# KiCad board ETH1CLCR2.kicad_pcb (continued)
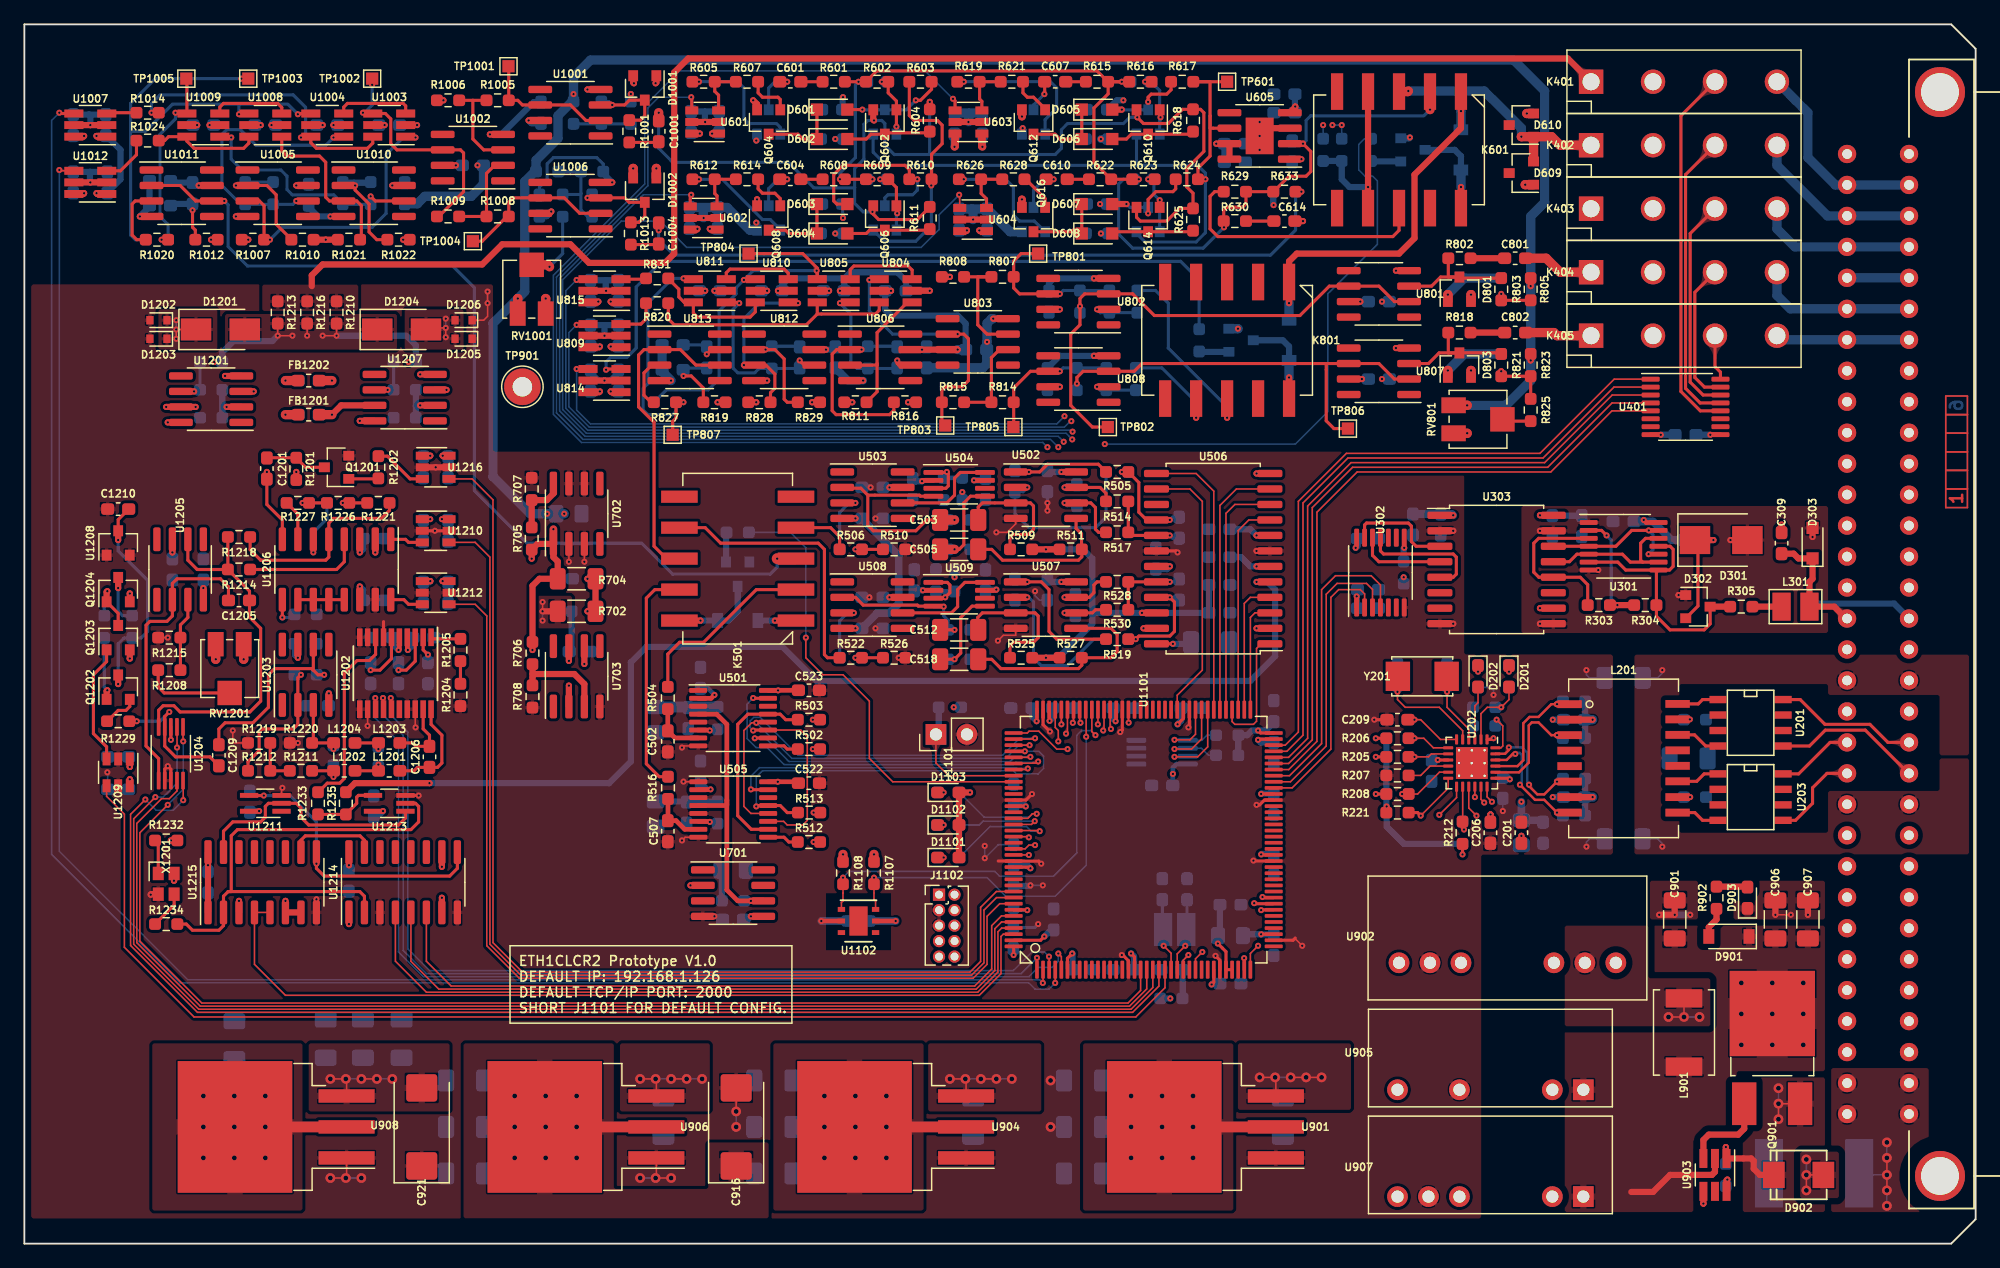
[diagram p0: board, top side]
## Routing (per net, layer and track width the routed paths; a pad name or vN(x,y) marks a point on that pad's centre or on a via; arc(x,y) is an arc through that point) (continued)
  Top w0.508: Q1204.1 6.74,53.45 v1(6.8,53.51)
  Bottom w0.254: R1230.2 6.55,52.24 6.8,52.5 v1(6.8,53.51)
Net-(Q1204-Pad3): length 4.1
  Top w0.508: Q1204.3 v1(7.69,53.77)
  Bottom w0.254: v1(7.69,53.77) 7.69,51.86 8.05,51.5 R1231.2
Net-(R207-Pad1): length 3.6
  Top w0.127: U202.10 115.26,39.17 114.5,38.4 R207.1
Net-(R209-Pad2): length 3.6
  Top w0.127: U202.24 121.08,40.67 121.23,40.81 121.23,42.46 v1(120.72,42.97)
  Bottom w0.254: R209.2 120.62,42.87 v1(120.72,42.97)
Net-(R301-Pad2): length 2
  Top w0.254: U302.8 v1(113.15,57.07)
  Bottom w0.508: v1(113.15,57.07) 113.1,57.02 R301.2
Net-(R303-Pad2): length 9.7
  Top w0.254: U301.2 129.33,58.5 v1(129.74,58.08)
  Top w0.508: R304.1 v1(130.63,52.37) R303.2
  Bottom w0.254: v1(129.74,58.08) 130.12,57.7 130.12,52.88 v1(130.63,52.37)
Net-(R502-Pad2): length 2.6
  Top w0.254: R502.2 62.56,40.56 62.29,40.82 U501.9
Net-(R503-Pad2): length 15.9
  Top w0.254: U505.10 59.61,33.98 58.49,35.1 58.49,42.59 59.32,43.42 U501.13 61.98,43.42 62.43,42.97 R503.2
Net-(R506-Pad1): length 2.8
  Top w0.127: R506.1 v1(68.14,56.94)
  Top w0.254: R510.2 R506.1
  Bottom w0.127: v1(68.14,56.94) R506.1
Net-(R507-Pad1): length 5.7
  Top w0.254: v1(68.14,60.75) U503.3
  Bottom w0.254: R507.1 66.85,59.97 67.64,60.75 v1(68.14,60.75)
Net-(R512-Pad2): length 2.6
  Top w0.254: R512.2 62.68,32.94 62.29,33.33 60.99,33.33
Net-(R522-Pad1): length 2.8
  Top w0.254: R526.2 R522.1 v1(68.14,48.05)
  Bottom w0.254: v1(68.14,48.05) R522.1
Net-(R523-Pad1): length 5.4
  Top w0.254: U508.3 v1(68.02,51.73)
  Bottom w0.254: R523.1 66.85,51.08 67.51,51.73 v1(68.02,51.73)
Net-(R532-Pad1): length 5.7
  Top w0.254: U504.3 75.56,61.95 75.76,62.15 75.76,63.17 v1(75.64,63.29) 75.59,63.25 74.54,63.25
  Bottom w0.254: v1(75.64,63.29) 75.64,63.06 R532.1
  Bottom w0.381: R532.1 R533.1
Net-(R534-Pad1): length 6
  Top w0.254: U509.3 75.44,52.93 v1(75.51,53) 75.89,53.39 75.89,54.02 75.68,54.23 U509.1
  Bottom w0.254: v1(75.51,53) 75.51,53.39
  Bottom w0.381: R534.1 75.53,53.49 ; 75.53,53.49 R535.1 ; 75.53,53.49 75.53,53.03 v1(75.51,53)
Net-(R605-Pad2): length 4.2
  Top w0.254: U601.3 56.92,94.2 56.61,94.51 R605.2 R607.2
Net-(R612-Pad2): length 4
  Top w0.254: R614.2 R612.2 56.61,86.13 56.8,85.94 U602.3
Net-(R619-Pad2): length 4.2
  Top w0.254: U603.3 78.51,93.69 78.33,93.88 R619.2 R621.2
Net-(R626-Pad2): length 4.3
  Top w0.254: 78.9,84.94 78.9,85.69 78.45,86.13 R626.2 R628.2
Net-(R705-Pad2): length 5.1
  Top w0.508: U702.8 43.38,61.51 42.85,60.98 R707.1 R705.2
Net-(R706-Pad2): length 8.2
  Top w0.508: 45.92,44.05 45.92,45.89 45.09,46.72 41.66,46.72 ; R706.2 R708.1
Net-(R801-Pad1): length 12.6
  Top w0.254: v1(84.91,77.9) U802.6 81.6,77.9 81.12,78.38 R807.2 81.12,80.59 81.73,81.2 TP801.1
  Bottom w0.254: v1(84.91,77.9) 85.18,78.17 R801.1 R806.1
Net-(R801-Pad2): length 42.8
  Top w0.254: TP802.1 87.57,66.97 85.8,68.75 85.8,74.6 86.56,75.36 v1(86.56,76.88) 86.56,77.52 86.94,77.9 U802.3 90.88,77.9 92.65,76.12 104.59,76.12 107,78.53 U801.6 111.07,78.53 112.34,77.26 U801.2
  Bottom w0.254: R801.2 v1(86.56,76.88)
Net-(R803-Pad1): length 3.5
  Top w0.254: R805.2 R803.1 v1(121.1,77.9)
  Bottom w0.254: v1(121.1,77.9) R803.1
Net-(R806-Pad2): length 4.4
  Top w0.254: U802.2 v1(87.96,76.63)
  Bottom w0.254: R809.1 R806.2 88.23,76.35 v1(87.96,76.63)
Net-(R807-Pad1): length 10.1
  Top w0.254: 80.65,74.59 78.94,74.59 78.18,75.36 78.18,79.29 R807.1 R808.2
Net-(R810-Pad2): length 4.2
  Top w0.254: U808.2 v1(87.96,70.28)
  Bottom w0.254: R810.2 R826.2 88.23,70 v1(87.96,70.28)
Net-(R811-Pad1): length 12.3
  Top w0.254: R811.1 69.92,69.87 69.92,72.18 ; 69.92,72.18 69.92,72.06 67.7,72.06 ; 69.92,72.18 69.92,74.72 72.4,77.2 U804.1
Net-(R812-Pad2): length 61.6
  Top w0.254: U814.3 47.76,71.73 v1(47.7,71.67)
  Bottom w0.254: R812.2 96.34,79.04 94.81,80.56 52.27,80.56 50.17,78.47 50.17,73.46 49.4,72.69 48.08,72.69 47.7,72.31 v1(47.7,71.67)
Net-(R813-Pad1): length 11.5
  Top w0.254: v1(84.91,71.55) U808.6 82.49,71.55 81.12,70.17 R814.2 81.12,67 TP805.1
  Bottom w0.254: R826.1 R813.1 85.18,71.82 v1(84.91,71.55)
Net-(R813-Pad2): length 36
  Top w0.254: U807.2 112.34,70.91 111.07,72.18 U807.6 106.75,72.18 ; TP806.1 107.39,66.85 106.75,67.48 106.75,72.18 ; 106.75,72.18 91.64,72.18 91,71.55 U808.3 86.81,71.55 86.3,71.04 v1(86.3,70.53)
  Bottom w0.254: R813.2 v1(86.3,70.53)
Net-(R814-Pad1): length 7.5
  Top w0.254: R815.2 R814.1 79.3,72.67 79.95,73.33 80.65,73.33
Net-(R815-Pad1): length 23.1
  Top w0.254: v1(76.53,74.59) U803.6 77.03,74.59 77.41,74.21 77.41,70.78 76.91,70.28 75.51,70.28 75.23,70 R815.1 75.23,67.38 TP803.1 ; 70.09,79.1 69.35,79.1 v1(69.29,79.04)
  Bottom w0.254: v1(69.29,79.04) 69.29,76.5 71.19,74.59 v1(76.53,74.59)
Net-(R820-Pad1): length 20.9
  Top w0.254: 65.02,76.25 64.13,75.36 53.28,75.36 52.8,75.84 R820.1 ; 65.02,76.25 U805.6 ; 65.02,76.25 69.79,76.25 70.09,76.55 U804.6
Net-(R820-Pad2): length 3.5
  Top w0.254: U809.3 50.55,75.42 50.97,75.84 R820.2
Net-(R821-Pad1): length 5.1
  Top w0.254: R821.1 R823.2 R825.2
  Top w0.508: v1(121.1,71.55) R821.1
  Bottom w0.508: R821.1 v1(121.1,71.55)
Net-(R824-Pad1): length 30.1
  Top w0.254: v1(59,79.04) 59.06,79.1 59.94,79.1 ; TP804.1 63.83,81.2 65.02,80.01 65.02,79.1 65.02,79.76 v1(64.97,79.8)
  Bottom w0.254: v1(64.97,79.8) 59.76,79.8 v1(59,79.04) 58.36,78.41 58.36,77.9 56.97,76.5 56.97,70.91 56.08,70.02 52.65,70.02 51.63,69.01 R824.1
Net-(R824-Pad2): length 21.2
  Top w0.254: 54.86,79.1 54.11,79.1 v1(54.05,79.17) ; TP807.1 53.16,67.44 53.43,67.71 R827.2 v1(54.05,69.01)
  Bottom w0.254: v1(54.05,79.17) 53.16,79.17 51.12,77.13 51.12,70.53 50.74,70.15 50.74,68.37 51.12,67.99 53.16,67.99 53.43,68.27 R827.2 v1(54.05,69.01)
Net-(R825-Pad1): length 2.4
  Top w0.254: RV801.2 121.35,67.46 R825.1
Net-(R827-Pad1): length 4.4
  Top w0.254: 52.08,72.06 51.44,72.06 50.81,71.42 50.81,69.58 51.38,69.01 R827.1
Net-(R828-Pad1): length 14.9
  Top w0.254: v1(59,72.06) 60.8,72.06 61.54,71.32 61.54,70.15 61.18,69.79 R828.1 ; v1(63.44,77.13) 63.38,77.2 62.64,77.2
  Bottom w0.254: v1(59,72.06) 59,75.86 60.27,77.13 v1(63.44,77.13)
Net-(R831-Pad1): length 10.3
  Top w0.254: R831.1 52.8,79.14 53.67,78.28 53.67,77.64 54.11,77.2 U811.6 54.86,76.33 55.19,75.99 59.51,75.99 59.94,76.42 U810.6
Net-(R831-Pad2): length 2.1
  Top w0.254: 48.92,79.1 50.91,79.1 R831.2
Net-(R901-Pad2): length 1.6
  Top w0.508: v1(139.64,5.25) 139.58,5.19 U903.6
  Bottom w0.254: R901.2 139.64,4.85 v1(139.64,5.25)
Net-(R1002-Pad1): length 4.7
  Bottom w0.254: R1003.1 R1002.1 R1004.2
Net-(R1005-Pad1): length 8.3
  Top w0.254: 36.77,93.77 R1006.2 ; 36.77,93.77 R1005.1 ; 36.77,93.77 36.77,90.6 37.66,89.71 U1002.3
Net-(R1005-Pad2): length 11
  Top w0.254: TP1001.1 39.72,96.54 R1005.2 40.46,93.77 40.84,93.39 U1001.6 44.78,93.39 46.05,92.12 U1001.2
Net-(R1007-Pad1): length 23.9
  Top w0.254: 18.3,85.52 19.27,85.52 19.65,85.14 R1007.1 v1(20.14,82.34) ; v1(32.08,90.72) 32.01,90.79 U1003.1
  Bottom w0.254: v1(32.08,90.72) 31.06,90.72 29.66,89.33 29.66,84.5 28.52,83.36 21.15,83.36 v1(20.14,82.34)
Net-(R1008-Pad1): length 7.4
  Top w0.254: R1009.2 R1008.1 37.89,87.78 38.55,88.44 U1002.2
Net-(R1008-Pad2): length 12.9
  Top w0.254: 47.25,84.5 45.54,84.5 44.27,85.77 U1006.6 40.08,85.77 39.72,85.41 R1008.2 39.57,84.25 37.54,82.22 37.03,82.22
Net-(R1009-Pad1): length 20.2
  Top w0.254: v1(27.76,92.76) 27.82,92.69 U1003.4 29.6,92.69 30.04,92.25 30.04,90.22 30.55,89.71 U1002.6 35.76,89.71 36.01,89.45 36.01,86.28 33.98,84.25 R1009.1 ; v1(28.52,95.04) TP1002.1
  Bottom w0.254: v1(28.52,95.04) 28.52,93.39 27.88,92.76 v1(27.76,92.76)
Net-(R1014-Pad1): length 24.6
  Top w0.254: R1014.1 v1(10.42,92.76) ; U1003.6 28.57,90.26 28.14,89.84 23.95,89.84 23.49,90.3 U1004.6 22.74,90.79 v1(22.68,90.72)
  Bottom w0.254: v1(22.68,90.72) 23.06,91.1 23.06,93.2 22.04,94.22 11.12,94.22 10.42,93.52 v1(10.42,92.76)
Net-(R1014-Pad2): length 2.5
  Top w0.254: R1014.2 6.82,92.76 U1007.3
Net-(R1015-Pad1): length 7.7
  Bottom w0.254: R1015.1 46.2,84.22 45.64,84.78 45.64,86.13 ; 45.64,86.13 45.56,86.05 R1019.2 ; 45.64,86.13 R1017.1 R1018.2
Net-(R1016-Pad1): length 40.4
  Top w0.254: U1004.4 22.48,92.69 v1(22.42,92.63) ; v1(17.79,95.55) TP1003.1 ; U1008.4 17.66,92.69 v1(17.6,92.63)
  Bottom w0.254: 8.71,91.23 8.71,93.52 10.74,95.55 v1(17.79,95.55) ; 8.71,91.23 8.71,82.72 9.09,82.34 R1016.1 ; 8.71,91.23 9.91,91.23 12.14,93.45 17.6,93.45 ; 17.6,93.45 v1(17.6,92.63) ; 17.6,93.45 21.6,93.45 v1(22.42,92.63)
Net-(R1016-Pad2): length 16.1
  Top w0.254: v1(12.39,92.76) 12.46,92.69 U1009.4 13.33,95.5 TP1005.1 ; R1020.2 v1(11.25,82.34)
  Bottom w0.254: v1(11.25,82.34) R1020.2 11.78,83.59 11.12,84.25 11.12,90.98 12.39,92.25 v1(12.39,92.76)
Net-(R1019-Pad1): length 6.1
  Top w0.761: v1(43.06,80.12) 42.9,80.28 RV1001.2
  Bottom w0.254: R1019.1 44.14,81.2 v1(43.06,80.12)
Net-(R1020-Pad1): length 5.5
  Top w0.254: R1020.1 9.22,82.34 8.83,82.72 8.83,85.26 9.09,85.52 U1011.3
Net-(R1021-Pad1): length 14.1
  Top w0.254: U1008.1 21.11,89.63 21.53,89.2 24.2,89.2 24.71,88.69 24.71,85.82 25.02,85.52 U1010.3 27.25,85.52 27.63,85.14 27.63,82.45 R1021.1
Net-(R1024-Pad1): length 8.8
  Top w0.254: U1008.6 18.41,90.26 17.98,89.84 13.91,89.84 13.33,90.42 U1009.6 11.82,90.79 11.5,90.47 R1024.1
Net-(R1024-Pad2): length 4.1
  Top w0.254: U1012.3 7.88,87.99 9.19,89.3 R1024.2
Net-(R1105-Pad1): length 2.3
  Top w0.254: U1101.138 82.21,27.38 v1(82.24,27.35)
  Bottom w0.254: R1105.1 81.28,27.35 v1(82.24,27.35)
Net-(R1203-Pad1): length 3.9
  Top w0.508: U1201.6 v1(13.91,69.9)
  Bottom w0.254: R1206.2 R1203.1 14.27,69.9 v1(13.91,69.9)
Net-(R1203-Pad2): length 8
  Top w0.508: U1201.2 v1(16.58,68.63)
  Bottom w0.254: R1203.2 R1209.1
  Bottom w0.508: v1(16.58,68.63) 16.26,68.63 16.22,68.59 ; 16.22,68.2 R1203.2 R1209.1
Net-(R1204-Pad2): length 1.9
  Top w0.254: R1205.1 R1204.2
Net-(R1205-Pad2): length 2.5
  Top w0.254: U1202.1 33.48,49.6 R1205.2
Net-(R1207-Pad2): length 11.7
  Top w0.254: R1212.1 18.34,39.52 19.25,40.43 19.25,41.96 19.5,42.21 22.04,42.21 22.42,42.59 U1203.2 22.42,46.4 v1(22.68,46.66)
  Bottom w0.254: v1(22.68,46.66) R1207.2
Net-(R1208-Pad1): length 7.4
  Top w0.254: RV1201.2 11.47,45.16 10.97,45.66 R1208.1
Net-(R1208-Pad2): length 6
  Top w0.254: R1208.2 R1215.1 12.79,50.74 13.41,51.35 U1205.3
Net-(R1211-Pad1): length 3.9
  Top w0.254: R1219.1 R1212.2 R1211.1
Net-(R1214-Pad1): length 9.8
  Top w0.254: R1214.1 25.6,55.29 26.23,55.93 U1206.4
Net-(R1217-Pad1): length 3.8
  Top w0.254: U1207.6 v1(29.79,70.02)
  Bottom w0.254: v1(29.79,70.02) R1217.1 R1224.2
Net-(R1217-Pad2): length 6.1
  Top w0.508: U1207.2 v1(32.46,68.75)
  Bottom w0.254: R1225.1 R1217.2
  Bottom w0.508: v1(32.46,68.75) 32.12,68.75 32.1,68.73 ; R1217.2 R1225.1
Net-(R1218-Pad1): length 16.8
  Top w0.254: R1218.1 18.51,56.92 19.38,56.05 24.71,56.05 24.96,56.31 U1206.5 24.96,59.1 25.34,59.48 29.28,59.48 29.94,60.14 R1221.1
Net-(R1221-Pad2): length 2.5
  Top w0.254: R1221.2 R1226.1 v1(26.11,60.75)
  Bottom w0.254: R1226.1 v1(26.11,60.75)
Net-(R1222-Pad1): length 2.6
  Top w0.254: v1(21.15,51.35) U1206.9
  Bottom w0.254: R1222.1 22.15,51.46 22.04,51.35 v1(21.15,51.35)
Net-(R1223-Pad1): length 5.6
  Top w0.254: v1(23.69,56.69) U1206.6
  Bottom w0.254: R1223.1 24.81,59.46 23.69,58.34 v1(23.69,56.69)
Net-(R1226-Pad2): length 2.5
  Top w0.254: R1226.2 R1227.2 v1(22.8,60.75)
  Bottom w0.254: R1227.2 v1(22.8,60.75)
Net-(R1227-Pad1): length 3.4
  Top w0.254: U1206.7 22.42,59.84 R1227.1
Net-(R1232-Pad2): length 2.8
  Top w0.254: X1201.1 10.98,32.8 R1232.2
Net-(R1233-Pad2): length 5.5
  Top w0.254: U1213.4 27.39,36.76 27.25,36.62 27.25,36.11 26.36,35.22 R1235.2 R1233.2
Net-(R1234-Pad1): length 42.9
  Top w0.254: 16.71,28.88 16.33,28.49 U1215.2 16.33,26.08 15.95,25.7 13.79,25.7 13.28,26.21 R1234.1 ; 16.71,28.88 27.5,28.88 27.88,28.49 U1214.2 ; 16.71,28.88 16.96,28.88 16.96,33.45 17.47,33.95 31.69,33.95 32.33,34.59 32.33,35.86 32.08,36.11 U1213.2
Net-(R1234-Pad2): length 3.1
  Top w0.254: R1234.2 12.28,27.77 X1201.3
Net-(U302-Pad11): length 10.4
  Top w0.254: U303.5 117.16,54.66 117.42,54.91 117.42,56.31 117.16,56.56 111.45,56.56 111.2,56.81 U302.11
Net-(U302-Pad12): length 7.2
  Top w0.254: U303.4 111.07,55.93 110.55,56.45 U302.12
Net-(U302-Pad13): length 8.8
  Top w0.254: U303.3 114.12,57.2 113.74,57.58 113.74,58.85 113.48,59.1 110.05,59.1 109.9,58.94 U302.13
Net-(U503-Pad6): length 8.6
  Top w0.254: 78.76,63.25 76.74,63.25 76.27,62.78 76.27,61.39 75.64,60.75 U503.6
Net-(U508-Pad6): length 8.6
  Top w0.254: U508.6 76.02,51.73 76.53,52.24 76.53,53.64 77.12,54.23 U509.8
Net-(U804-Pad3): length 6.9
  Top w0.254: 72.79,79.1 72.79,79.85 72.46,80.18 68.02,80.18 67.72,79.88 67.72,79.1
Net-(U810-Pad3): length 6.4
  Top w0.254: 57.56,79.1 57.56,79.63 57.86,79.93 62.3,79.93 62.64,79.59 62.64,79.1
Net-(U1003-Pad3): length 6.4
  Top w0.254: U1003.3 31.27,93.31 31.06,93.52 26.49,93.52 26.19,93.22 U1004.3
Net-(U1008-Pad3): length 6.4
  Top w0.254: U1008.3 21.11,93.18 20.77,93.52 16.33,93.52 16.03,93.22 U1009.3
Net-(U1206-Pad10): length 3.8
  Top w0.254: U1206.10 U1206.13
Net-(U1211-Pad2): length 20.1
  Top w0.254: U1215.15 16.33,33.83 17.09,34.59 19.38,34.59 19.76,34.97 19.76,35.86 20.01,36.11 U1211.2 22.3,36.11 22.68,35.73 22.68,34.97 23.31,34.34 30.68,34.34 31.25,34.9 U1213.1
Net-(U1211-Pad4): length 24.6
  Top w0.254: U1214.9 35.5,30.78 34.87,30.14 24.58,30.14 23.95,30.78 v1(23.95,31.16) U1215.9 ; v1(19.63,36.75) 18.44,36.75 U1211.4
  Bottom w0.254: v1(19.63,36.75) 21.79,36.75 23.95,34.59 v1(23.95,31.16)
Net-(U1214-Pad15): length 7.5
  Top w0.254: U1214.15 27.88,33.09 27.52,33.45 23.04,33.45 22.68,33.09 U1215.10

## Copper pours and planes (outline as drawn; the poured copper is in the pictures)
+1V5 on In2.Cu: 34.87,92.25 36.39,92.25 36.39,84.75 53.79,84.75 53.79,70.28 67,70.28 67,80.31 76.91,80.31 76.91,67.61 79.19,67.61 79.19,53.77 74.37,53.77 74.37,65.07 55.57,65.07 55.57,38.4 42.74,38.4 42.74,48.69 50.62,48.69 50.62,80.56 17.6,80.56 17.6,84.75 28.77,84.75 28.77,94.28 34.87,94.28
+3.3VP on In2.Cu: 50.36,48.94 45.03,48.94 45.03,53.26 40.08,53.26 40.08,60.88 47.7,60.88 47.7,78.02 42.74,78.02 42.74,76.37 39.19,76.37 39.19,80.31 50.36,80.31
+3V3 on Top: 99.13,2.71 86.81,2.71 86.81,16.43 99.13,16.43
+3V3 on Top: 44.9,50.47 41.85,50.47 41.85,53.13 44.9,53.13
+3V3 on Bottom: 99.13,2.71 86.81,2.71 86.81,16.43 99.13,16.43
+3V3 on Bottom: 44.9,50.47 41.85,50.47 41.85,53.13 44.9,53.13
+3V3 on In2.Cu: 117.55,47.8 124.28,47.8 124.28,32.43 118.94,32.43 118.94,30.4 105.23,30.4 105.23,20.37 98.12,20.37 98.12,6.52 1.09,6.52 1.09,97.45 117.55,97.45
+5V on Top: 73.73,2.71 61.41,2.71 61.41,16.43 73.73,16.43
+5V on Bottom: 73.73,2.71 61.41,2.71 61.41,16.43 73.73,16.43
+5V on In3.Cu: 135.07,67.36 138.63,67.36 138.63,63.55 117.55,63.55 117.55,47.8 74.87,47.8 74.87,6.52 1.09,6.52 1.09,97.45 135.07,97.45
+5V_TRIG on In2.Cu: 147.39,50.59 123.26,50.59 123.26,59.99 147.39,59.99
+5V_TRIG on In3.Cu: 147.39,50.59 123.26,50.59 123.26,59.99 147.39,59.99
+5VA on Top: 48.33,4.49 56.08,4.49 56.08,8.3 61.03,8.3 61.03,2.08 36.01,2.08 36.01,16.43 48.33,16.43
+5VA on Top: 10.99,76.63 15.82,76.63 15.82,73.33 10.99,73.33
+5VA on Bottom: 48.33,2.71 36.01,2.71 36.01,16.43 48.33,16.43
+5VA on Bottom: 10.99,76.63 15.82,76.63 15.82,73.33 10.99,73.33
+5VA on In4.Cu: 64.33,14.65 64.33,6.52 1.09,6.52 1.09,97.45 135.07,97.45 135.07,63.55 117.55,63.55 117.55,47.8 109.42,47.8 109.42,14.65
+24V on Top: 156.15,2.59 148.15,2.59 148.15,14.4 156.15,14.4
+24V on Bottom: 156.15,2.59 148.15,2.59 148.15,14.4 156.15,14.4
+24V on In2.Cu: 156.15,2.59 148.15,2.59 148.15,14.4 156.15,14.4
+24V on In3.Cu: 156.15,2.59 148.15,2.59 148.15,14.4 156.15,14.4
-5VA on Top: 36.01,73.33 31.19,73.33 31.19,76.63 36.01,76.63
-5VA on Top: 34.87,10.84 23.31,10.84 23.31,16.43 34.87,16.43
-5VA on Bottom: 32.33,10.84 23.31,10.84 23.31,16.43 32.33,16.43
-5VA on Bottom: 36.01,73.33 31.19,73.33 31.19,76.63 36.01,76.63
-5VA on In4.Cu: 105.48,90.85 96.46,90.85 96.46,89.58 89.48,89.58 89.48,77.13 84.27,77.13 84.27,52.88 76.14,52.88 76.14,56.18 37.66,56.18 37.66,23.03 31.69,23.03 31.69,12.87 24.2,12.87 24.2,45.77 32.08,45.77 32.08,49.19 16.45,49.19 16.45,46.4 12.9,46.4 12.9,51.23 8.33,51.23 8.33,54.66 15.95,54.66 15.95,52.62 29.41,52.62 29.41,57.58 28.14,57.58 28.14,56.05 24.2,56.05 24.2,66.59 28.27,66.59 28.27,69.39 20.64,69.39 20.64,72.44 24.2,72.44 24.2,76.5 35.76,76.5 35.76,63.55 70.18,63.55 70.18,61.26 74.49,61.26 74.49,66.21 72.08,66.21 72.08,72.31 77.16,72.31 77.16,78.66 65.6,78.66 65.6,91.87 68.91,91.87 68.91,83.74 85.29,83.74 85.29,93.65 105.48,93.65
GND on Top: 38.42,64.94 118.05,64.94 118.05,48.31 130.25,48.31 130.25,31.92 119.45,31.92 119.45,2.08 0.58,2.08 0.58,78.66 38.42,78.66
GND on Top: 38.42,64.94 118.05,64.94 118.05,48.31 130.25,48.31 130.25,31.92 119.45,31.92 119.45,2.08 0.58,2.08 0.58,78.66 38.42,78.66
GND on Bottom: 102.43,91.61 102.43,87.93 99.26,87.93 99.26,95.17 103.32,95.17 103.32,91.61
GND on Bottom: 108.91,89.84 105.61,89.84 105.61,92.12 108.91,92.12
GND on Bottom: 38.42,64.94 118.05,64.94 118.05,48.31 130.25,48.31 130.25,31.92 119.45,31.92 119.45,2.08 0.58,2.08 0.58,78.66 38.42,78.66
GND on Bottom: 38.42,64.94 118.05,64.94 118.05,48.31 130.25,48.31 130.25,31.92 119.45,31.92 119.45,2.08 0.58,2.08 0.58,78.66 38.42,78.66
GND on In1.Cu: 135.58,63.04 118.05,63.04 118.05,48.31 130.25,48.31 130.25,31.92 119.45,31.92 119.45,2.08 0.58,2.08 0.58,97.96 135.58,97.96
GND on In3.Cu: 130.25,31.92 119.45,31.92 119.45,2.08 113.99,2.08 113.99,6.52 75.13,6.52 75.13,47.54 117.8,47.54 117.8,48.31 130.25,48.31
GND_TRIG on Top: 147.9,50.08 122.75,50.08 122.75,60.5 147.9,60.5
GND_TRIG on Bottom: 153.51,51.94 153.57,51.88 153.61,51.82 153.66,51.76 153.69,51.7 153.72,51.63 153.75,51.57 153.77,51.5 153.78,51.43 153.79,51.35 153.79,51.28 154.81,51 154.53,52.02 154.46,52.02 154.38,52.03 154.31,52.04 154.24,52.06 154.18,52.09 154.11,52.12 154.05,52.15 153.99,52.2 153.93,52.24 153.87,52.3
GND_TRIG on Bottom: 147.9,50.08 122.75,50.08 122.75,60.5 147.9,60.5
GND_TRIG on In1.Cu: 147.9,50.08 122.75,50.08 122.75,60.5 147.9,60.5
GND_TRIG on In4.Cu: 147.9,50.08 122.75,50.08 122.75,60.5 147.9,60.5
GNDPWR on Top: 137.23,26.59 133.29,26.59 133.29,29.76 137.23,29.76
GNDPWR on Top: 142.06,29.76 147.65,29.76 147.65,26.59 140.15,26.59 140.15,28.11 142.06,28.11
GNDPWR on Top: 148.79,3.73 145.61,3.73 145.61,7.54 148.79,7.54
GNDPWR on Bottom: 137.23,26.59 133.29,26.59 133.29,29.76 137.23,29.76
GNDPWR on Bottom: 147.65,29.76 147.65,26.59 142.06,26.59 142.06,29.76
GNDPWR on Bottom: 147.14,3.73 145.61,3.73 145.61,7.54 147.14,7.54
GNDPWR on In1.Cu: 159.71,2.08 123.64,2.08 123.64,29.76 159.71,29.76
GNDPWR on In4.Cu: 159.71,2.08 123.64,2.08 123.64,29.76 159.71,29.76
VCCQ on In2.Cu: 129.74,34.34 119.45,34.34 119.45,43.73 129.74,43.73
VCCQ on In4.Cu: 129.74,34.34 119.45,34.34 119.45,43.73 129.74,43.73
/Connector/A on Bottom: 145.03,94.51 144.97,94.57 144.92,94.64 144.87,94.72 144.82,94.79 144.79,94.87 144.76,94.95 144.74,95.03 144.72,95.11 144.71,95.2 144.71,95.29 143.35,95.65 143.72,94.3 143.81,94.29 143.89,94.28 143.98,94.27 144.06,94.25 144.14,94.22 144.21,94.18 144.29,94.14 144.36,94.09 144.43,94.03 144.5,93.97
/Connector/A on Bottom: 150.44,87.21 150.38,87.21 150.32,87.22 150.27,87.22 150.22,87.23 150.18,87.25 150.13,87.26 150.1,87.28 150.06,87.3 150.03,87.33 150,87.36 149.08,86.83 150,86.3 150.03,86.33 150.06,86.36 150.1,86.38 150.13,86.4 150.18,86.41 150.22,86.43 150.27,86.44 150.32,86.44 150.38,86.45 150.44,86.45
/Connector/A on Bottom: 153.56,86.45 153.62,86.45 153.68,86.44 153.73,86.44 153.78,86.43 153.82,86.41 153.87,86.4 153.9,86.38 153.94,86.36 153.97,86.33 154,86.3 154.92,86.83 154,87.36 153.97,87.33 153.94,87.3 153.9,87.28 153.87,87.26 153.82,87.25 153.78,87.23 153.73,87.22 153.68,87.22 153.62,87.21 153.56,87.21
/Connector/B on Bottom: 148.48,83.91 148.54,83.91 148.6,83.9 148.65,83.9 148.7,83.89 148.74,83.87 148.79,83.86 148.82,83.84 148.86,83.82 148.89,83.79 148.92,83.76 149.84,84.29 148.92,84.82 148.89,84.79 148.86,84.76 148.82,84.74 148.79,84.72 148.74,84.71 148.7,84.69 148.65,84.68 148.6,84.68 148.54,84.67 148.48,84.67
/Connector/B on Bottom: 144.09,88.59 144.09,88.69 144.1,88.77 144.12,88.86 144.14,88.94 144.17,89.02 144.2,89.1 144.25,89.17 144.29,89.24 144.35,89.31 144.41,89.37 143.71,90.59 143.01,89.37 143.07,89.31 143.12,89.24 143.17,89.17 143.21,89.1 143.25,89.02 143.28,88.94 143.3,88.86 143.31,88.77 143.32,88.69 143.33,88.59
/Connector/B on Bottom: 150.44,84.67 150.38,84.67 150.32,84.68 150.27,84.68 150.22,84.69 150.18,84.71 150.13,84.72 150.1,84.74 150.06,84.76 150.03,84.79 150,84.82 149.08,84.29 150,83.76 150.03,83.79 150.06,83.82 150.1,83.84 150.13,83.86 150.18,83.87 150.22,83.89 150.27,83.9 150.32,83.9 150.38,83.91 150.44,83.91
/Connector/B on Bottom: 153.56,83.91 153.62,83.91 153.68,83.9 153.73,83.9 153.78,83.89 153.82,83.87 153.87,83.86 153.9,83.84 153.94,83.82 153.97,83.79 154,83.76 154.92,84.29 154,84.82 153.97,84.79 153.94,84.76 153.9,84.74 153.87,84.72 153.82,84.71 153.78,84.69 153.73,84.68 153.68,84.68 153.62,84.67 153.56,84.67
/Connector/C on Bottom: 148.48,81.37 148.54,81.37 148.6,81.36 148.65,81.36 148.7,81.35 148.74,81.33 148.79,81.32 148.82,81.3 148.86,81.28 148.89,81.25 148.92,81.22 149.84,81.75 148.92,82.28 148.89,82.25 148.86,82.22 148.82,82.2 148.79,82.18 148.74,82.17 148.7,82.15 148.65,82.14 148.6,82.14 148.54,82.13 148.48,82.13
/Connector/C on Bottom: 144.09,83.39 144.09,83.48 144.1,83.57 144.12,83.65 144.14,83.74 144.17,83.82 144.2,83.89 144.25,83.97 144.29,84.04 144.35,84.1 144.41,84.17 143.71,85.38 143.01,84.17 143.07,84.1 143.12,84.04 143.17,83.97 143.21,83.89 143.25,83.82 143.28,83.74 143.3,83.65 143.31,83.57 143.32,83.48 143.33,83.39
/Connector/C on Bottom: 150.44,82.13 150.38,82.13 150.32,82.14 150.27,82.14 150.22,82.15 150.18,82.17 150.13,82.18 150.1,82.2 150.06,82.22 150.03,82.25 150,82.28 149.08,81.75 150,81.22 150.03,81.25 150.06,81.28 150.1,81.3 150.13,81.32 150.18,81.33 150.22,81.35 150.27,81.36 150.32,81.36 150.38,81.37 150.44,81.37
/Connector/C on Bottom: 153.56,81.37 153.62,81.37 153.68,81.36 153.73,81.36 153.78,81.35 153.82,81.33 153.87,81.32 153.9,81.3 153.94,81.28 153.97,81.25 154,81.22 154.92,81.75 154,82.28 153.97,82.25 153.94,82.22 153.9,82.2 153.87,82.18 153.82,82.17 153.78,82.15 153.73,82.14 153.68,82.14 153.62,82.13 153.56,82.13
/Connector/D on Bottom: 150.44,79.59 150.38,79.59 150.32,79.6 150.27,79.6 150.22,79.61 150.18,79.63 150.13,79.64 150.1,79.66 150.06,79.68 150.03,79.71 150,79.74 149.08,79.21 150,78.68 150.03,78.71 150.06,78.74 150.1,78.76 150.13,78.78 150.18,78.79 150.22,78.81 150.27,78.82 150.32,78.82 150.38,78.83 150.44,78.83
/Connector/D on Bottom: 153.56,78.83 153.62,78.83 153.68,78.82 153.73,78.82 153.78,78.81 153.82,78.79 153.87,78.78 153.9,78.76 153.94,78.74 153.97,78.71 154,78.68 154.92,79.21 154,79.74 153.97,79.71 153.94,79.68 153.9,79.66 153.87,79.64 153.82,79.63 153.78,79.61 153.73,79.6 153.68,79.6 153.62,79.59 153.56,79.59
/Connector/E on Bottom: 148.48,76.29 148.54,76.29 148.6,76.28 148.65,76.28 148.7,76.27 148.74,76.25 148.79,76.24 148.82,76.22 148.86,76.2 148.89,76.17 148.92,76.14 149.84,76.67 148.92,77.2 148.89,77.17 148.86,77.14 148.82,77.12 148.79,77.1 148.74,77.09 148.7,77.07 148.65,77.06 148.6,77.06 148.54,77.05 148.48,77.05
/Connector/E on Bottom: 144.09,78.18 144.09,78.27 144.1,78.36 144.12,78.45 144.14,78.53 144.17,78.61 144.2,78.69 144.25,78.76 144.29,78.83 144.35,78.9 144.41,78.96 143.71,80.17 143.01,78.96 143.07,78.9 143.12,78.83 143.17,78.76 143.21,78.69 143.25,78.61 143.28,78.53 143.3,78.45 143.31,78.36 143.32,78.27 143.33,78.18
/Connector/E on Bottom: 150.44,77.05 150.38,77.05 150.32,77.06 150.27,77.06 150.22,77.07 150.18,77.09 150.13,77.1 150.1,77.12 150.06,77.14 150.03,77.17 150,77.2 149.08,76.67 150,76.14 150.03,76.17 150.06,76.2 150.1,76.22 150.13,76.24 150.18,76.25 150.22,76.27 150.27,76.28 150.32,76.28 150.38,76.29 150.44,76.29
/Connector/E on Bottom: 153.56,76.29 153.62,76.29 153.68,76.28 153.73,76.28 153.78,76.27 153.82,76.25 153.87,76.24 153.9,76.22 153.94,76.2 153.97,76.17 154,76.14 154.92,76.67 154,77.2 153.97,77.17 153.94,77.14 153.9,77.12 153.87,77.1 153.82,77.09 153.78,77.07 153.73,77.06 153.68,77.06 153.62,77.05 153.56,77.05
/Connector/EXT_TRIG on Top: 148.35,51.94 148.42,51.88 148.48,51.82 148.54,51.76 148.58,51.7 148.62,51.63 148.65,51.57 148.68,51.5 148.7,51.43 148.71,51.35 148.71,51.28 149.73,51 149.45,52.02 149.38,52.02 149.3,52.03 149.23,52.04 149.15,52.06 149.08,52.09 149,52.12 148.93,52.15 148.86,52.2 148.78,52.24 148.71,52.3
/Connector/F on Bottom: 148.48,73.75 148.54,73.75 148.6,73.74 148.65,73.74 148.7,73.73 148.74,73.71 148.79,73.7 148.82,73.68 148.86,73.66 148.89,73.63 148.92,73.6 149.84,74.13 148.92,74.66 148.89,74.63 148.86,74.6 148.82,74.58 148.79,74.56 148.74,74.55 148.7,74.53 148.65,74.52 148.6,74.52 148.54,74.51 148.48,74.51
/Connector/F on Bottom: 145.54,74.51 145.39,74.58 145.24,74.64 145.1,74.71 144.98,74.78 144.86,74.84 144.75,74.91 144.65,74.97 144.57,75.04 144.49,75.1 144.42,75.17 143.21,74.47 144.42,73.77 144.49,73.83 144.57,73.87 144.65,73.9 144.75,73.92 144.86,73.92 144.98,73.91 145.1,73.89 145.24,73.86 145.39,73.81 145.54,73.75
